# KiCad board Kanagawa_rgb.kicad_pcb
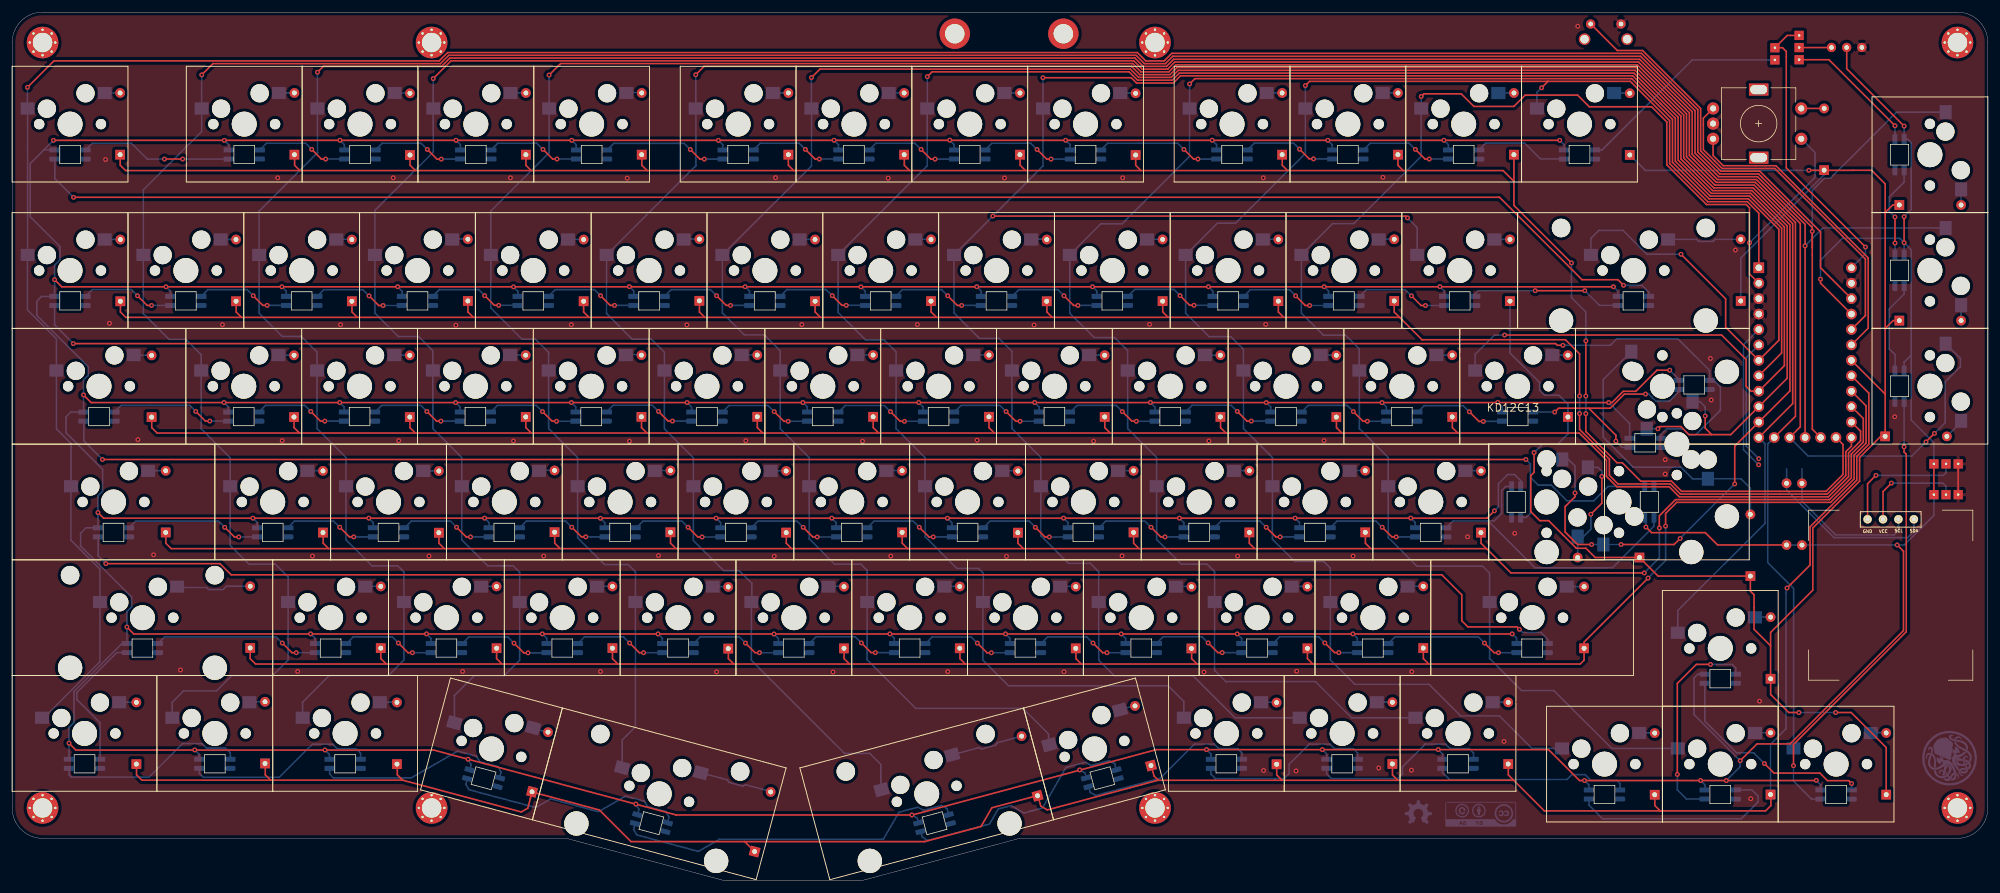
[diagram p0: board, top side]
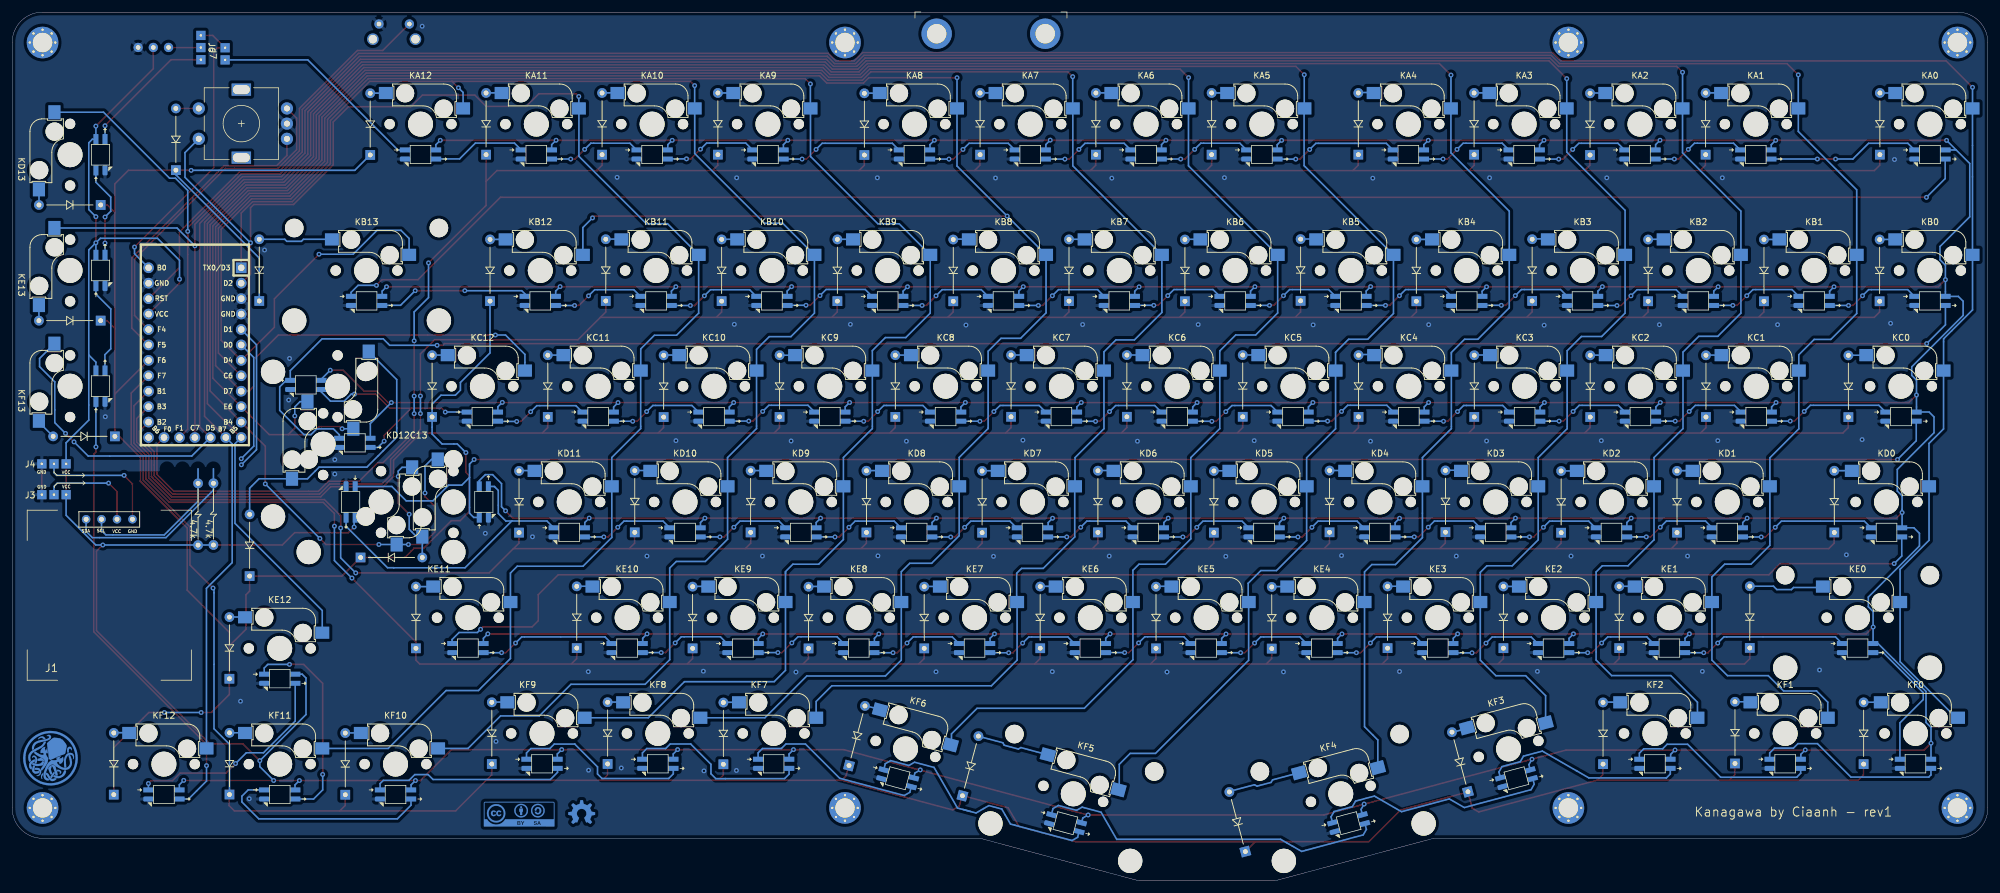
[diagram p1: board, bottom side, seen from below]

Outline 325 x 143 mm; copper layers: Top, Bottom. Coordinates in mm from the lower left corner of the outline.
Outline path: circle c320,138 r1.1 ; circle c320,12 r1.1 ; 0,138 0,12 arc(1.46,8.46) 5,7 91.16,7 117.29,0 139.6,0 165.72,7 320,7 arc(323.54,8.46) 325,12 325,138 arc(323.54,141.54) 320,143 5,143 arc(1.46,141.54) 0,138

## Placement (name value [footprint] x y rotation side)
DA0  D  [Diode_THT]  17.76 119.54 90 top
DA1  D  [Diode_THT]  46.43 119.54 90 top
DA2  D  [Diode_THT]  65.44 119.48 90 top
DA3  D  [Diode_THT]  84.51 119.54 90 top
DA4  D  [Diode_THT]  103.56 119.54 90 top
DA5  D  [Diode_THT]  127.69 119.54 90 top
DA6  D  [Diode_THT]  146.73 119.54 90 top
DA7  D  [Diode_THT]  165.78 119.54 90 top
DA8  D  [Diode_THT]  184.81 119.48 90 top
DA9  D  [Diode_THT]  208.91 119.54 90 top
DA10  D  [Diode_THT]  227.96 119.54 90 top
DA11  D  [Diode_THT]  247.04 119.54 90 top
DA12  D  [Diode_THT]  266.1 119.49 90 top
DA13  D  [Diode_THT]  298.07 116.99 90 top
DB0  D  [Diode_THT]  17.8 95.41 90 top
DB1  D  [Diode_THT]  36.83 95.41 90 top
DB2  D  [Diode_THT]  55.88 95.41 90 top
DB3  D  [Diode_THT]  74.96 95.46 90 top
DB4  D  [Diode_THT]  94.01 95.41 90 top
DB5  D  [Diode_THT]  113.05 95.48 90 top
DB6  D  [Diode_THT]  132.08 95.41 90 top
DB7  D  [Diode_THT]  151.15 95.43 90 top
DB8  D  [Diode_THT]  170.19 95.41 90 top
DB9  D  [Diode_THT]  189.25 95.43 90 top
DB10  D  [Diode_THT]  208.29 95.43 90 top
DB11  D  [Diode_THT]  227.35 95.46 90 top
DB12  D  [Diode_THT]  246.39 95.43 90 top
DB13  D  [Diode_THT]  284.35 95.45 90 top
DC0  D  [Diode_THT]  22.94 76.34 90 top
DC1  D  [Diode_THT]  46.37 76.35 90 top
DC2  D  [Diode_THT]  65.41 76.35 90 top
DC3  D  [Diode_THT]  84.48 76.37 90 top
DC4  D  [Diode_THT]  103.52 76.38 90 top
DC5  D  [Diode_THT]  122.57 76.39 90 top
DC6  D  [Diode_THT]  141.63 76.39 90 top
DC7  D  [Diode_THT]  160.68 76.39 90 top
DC8  D  [Diode_THT]  179.72 76.37 90 top
DC9  D  [Diode_THT]  198.76 76.37 90 top
DC10  D  [Diode_THT]  217.83 76.35 90 top
DC11  D  [Diode_THT]  236.89 76.37 90 top
DC12  D  [Diode_THT]  255.92 76.37 90 top
DC13  D  [Diode_THT]  285.94 50.17 90 top
DD0  D  [Diode_THT]  25.26 57.35 90 top
DD1  D  [Diode_THT]  51.13 57.33 90 top
DD2  D  [Diode_THT]  70.19 57.31 90 top
DD3  D  [Diode_THT]  89.22 57.4 90 top
DD4  D  [Diode_THT]  108.29 57.38 90 top
DD5  D  [Diode_THT]  127.32 57.32 90 top
DD6  D  [Diode_THT]  146.39 57.36 90 top
DD7  D  [Diode_THT]  165.44 57.31 90 top
DD8  D  [Diode_THT]  184.47 57.35 90 top
DD9  D  [Diode_THT]  203.52 57.36 90 top
DD10  D  [Diode_THT]  222.58 57.37 90 top
DD11  D  [Diode_THT]  241.62 57.32 90 top
DD12  D  [Diode_THT]  267.69 53.23 180 top
DD13  D  [Diode_THT]  310.44 111.26 0 top
DE0  D  [Diode_THT]  39.16 38.34 90 top
DE1  D  [Diode_THT]  60.64 38.31 90 top
DE2  D  [Diode_THT]  79.69 38.3 90 top
DE3  D  [Diode_THT]  98.75 38.31 90 top
DE4  D  [Diode_THT]  117.8 38.23 90 top
DE5  D  [Diode_THT]  136.84 38.27 90 top
DE6  D  [Diode_THT]  155.89 38.29 90 top
DE7  D  [Diode_THT]  174.97 38.27 90 top
DE8  D  [Diode_THT]  194 38.26 90 top
DE9  D  [Diode_THT]  213.07 38.27 90 top
DE10  D  [Diode_THT]  232.13 38.32 90 top
DE11  D  [Diode_THT]  258.58 38.28 90 top
DE12  D  [Diode_THT]  289.26 33.26 90 top
DE13  D  [Diode_THT]  310.44 92.22 0 top
DF0  D  [Diode_THT]  20.43 19.22 90 top
DF1  D  [Diode_THT]  41.6 19.32 90 top
DF2  D  [Diode_THT]  63.3 19.21 90 top
DF3  D  [Diode_THT]  85.52 14.66 75 top
DF4  D  [Diode_THT]  122.14 4.82 75 top
DF5  D  [Diode_THT]  168.68 14.01 105 top
DF6  D  [Diode_THT]  187.34 18.98 105 top
DF7  D  [Diode_THT]  208 19.19 90 top
DF8  D  [Diode_THT]  227.05 19.24 90 top
DF9  D  [Diode_THT]  246.1 19.23 90 top
DF10  D  [Diode_THT]  270.2 14.17 90 top
DF11  D  [Diode_THT]  289.25 14.21 90 top
DF12  D  [Diode_THT]  308.28 14.19 90 top
DF13  D  [Diode_THT]  308.1 73.17 0 top
J1  Oled128x64  [OLED_128x64_I2C_cutout]  295.52 61.02 0 top
J3  OledJump2  [Jumper_3pins]  318.12 65.56 180 top
J4  OledJump1  [Jumper_3pins]  318.12 70.63 180 top
J5  RGB_Out  [conn_3pins]  301.78 137.19 0 top
J6  RGB_Selector_Pin  [Jumper_3pins]  291.97 137.17 270 top
J7  RGB_Selector_Matrix  [Jumper_2pins]  289.97 136.14 90 top
KA0  KEY_SW  [SW_Cherry_MX_1.00u_SK6812MINI-E_Hotswap]  0 134.09 0 top
KA1  KEY_SW  [SW_Cherry_MX_1.00u_SK6812MINI-E_Hotswap]  28.65 134.09 0 top
KA2  KEY_SW  [SW_Cherry_MX_1.00u_SK6812MINI-E_Hotswap]  47.7 134.09 0 top
KA3  KEY_SW  [SW_Cherry_MX_1.00u_SK6812MINI-E_Hotswap]  66.75 134.09 0 top
KA4  KEY_SW  [SW_Cherry_MX_1.00u_SK6812MINI-E_Hotswap]  85.8 134.09 0 top
KA5  KEY_SW  [SW_Cherry_MX_1.00u_SK6812MINI-E_Hotswap]  109.9 134.09 0 top
KA6  KEY_SW  [SW_Cherry_MX_1.00u_SK6812MINI-E_Hotswap]  128.95 134.09 0 top
KA7  KEY_SW  [SW_Cherry_MX_1.00u_SK6812MINI-E_Hotswap]  148 134.09 0 top
KA8  KEY_SW  [SW_Cherry_MX_1.00u_SK6812MINI-E_Hotswap]  167.05 134.09 0 top
KA9  KEY_SW  [SW_Cherry_MX_1.00u_SK6812MINI-E_Hotswap]  191.15 134.09 0 top
KA10  KEY_SW  [SW_Cherry_MX_1.00u_SK6812MINI-E_Hotswap]  210.2 134.09 0 top
KA11  KEY_SW  [SW_Cherry_MX_1.00u_SK6812MINI-E_Hotswap]  229.25 134.09 0 top
KA12  KEY_SW  [SW_Cherry_MX_1.00u_SK6812MINI-E_Hotswap]  248.3 134.09 0 top
KB0  KEY_SW  [SW_Cherry_MX_1.00u_SK6812MINI-E_Hotswap]  0 109.99 0 top
KB1  KEY_SW  [SW_Cherry_MX_1.00u_SK6812MINI-E_Hotswap]  19.05 109.99 0 top
KB2  KEY_SW  [SW_Cherry_MX_1.00u_SK6812MINI-E_Hotswap]  38.1 109.99 0 top
KB3  KEY_SW  [SW_Cherry_MX_1.00u_SK6812MINI-E_Hotswap]  57.15 109.99 0 top
KB4  KEY_SW  [SW_Cherry_MX_1.00u_SK6812MINI-E_Hotswap]  76.2 109.99 0 top
KB5  KEY_SW  [SW_Cherry_MX_1.00u_SK6812MINI-E_Hotswap]  95.25 109.99 0 top
KB6  KEY_SW  [SW_Cherry_MX_1.00u_SK6812MINI-E_Hotswap]  114.3 109.99 0 top
KB7  KEY_SW  [SW_Cherry_MX_1.00u_SK6812MINI-E_Hotswap]  133.35 109.99 0 top
KB8  KEY_SW  [SW_Cherry_MX_1.00u_SK6812MINI-E_Hotswap]  152.4 109.99 0 top
KB9  KEY_SW  [SW_Cherry_MX_1.00u_SK6812MINI-E_Hotswap]  171.45 109.99 0 top
KB10  KEY_SW  [SW_Cherry_MX_1.00u_SK6812MINI-E_Hotswap]  190.5 109.99 0 top
KB11  KEY_SW  [SW_Cherry_MX_1.00u_SK6812MINI-E_Hotswap]  209.55 109.99 0 top
KB12  KEY_SW  [SW_Cherry_MX_1.00u_SK6812MINI-E_Hotswap]  228.6 109.99 0 top
KB13  KEY_SW  [SW_Cherry_MX_2.00u_SK6812MINI-E_Hotswap]  247.65 109.99 0 top
KC0  KEY_SW  [SW_Cherry_MX_1.50u_SK6812MINI-E_Hotswap]  0 90.94 0 top
KC1  KEY_SW  [SW_Cherry_MX_1.00u_SK6812MINI-E_Hotswap]  28.58 90.94 0 top
KC2  KEY_SW  [SW_Cherry_MX_1.00u_SK6812MINI-E_Hotswap]  47.63 90.94 0 top
KC3  KEY_SW  [SW_Cherry_MX_1.00u_SK6812MINI-E_Hotswap]  66.68 90.94 0 top
KC4  KEY_SW  [SW_Cherry_MX_1.00u_SK6812MINI-E_Hotswap]  85.73 90.94 0 top
KC5  KEY_SW  [SW_Cherry_MX_1.00u_SK6812MINI-E_Hotswap]  104.78 90.94 0 top
KC6  KEY_SW  [SW_Cherry_MX_1.00u_SK6812MINI-E_Hotswap]  123.83 90.94 0 top
KC7  KEY_SW  [SW_Cherry_MX_1.00u_SK6812MINI-E_Hotswap]  142.88 90.94 0 top
KC8  KEY_SW  [SW_Cherry_MX_1.00u_SK6812MINI-E_Hotswap]  161.93 90.94 0 top
KC9  KEY_SW  [SW_Cherry_MX_1.00u_SK6812MINI-E_Hotswap]  180.98 90.94 0 top
KC10  KEY_SW  [SW_Cherry_MX_1.00u_SK6812MINI-E_Hotswap]  200.03 90.94 0 top
KC11  KEY_SW  [SW_Cherry_MX_1.00u_SK6812MINI-E_Hotswap]  219.07 90.94 0 top
KC12  KEY_SW  [SW_Cherry_MX_1.00u_SK6812MINI-E_Hotswap]  238.12 90.94 0 top
KD0  KEY_SW  [SW_Cherry_MX_1.75u_SK6812MINI-E_Hotswap]  0 71.89 0 top
KD1  KEY_SW  [SW_Cherry_MX_1.00u_SK6812MINI-E_Hotswap]  33.34 71.89 0 top
KD2  KEY_SW  [SW_Cherry_MX_1.00u_SK6812MINI-E_Hotswap]  52.39 71.89 0 top
KD3  KEY_SW  [SW_Cherry_MX_1.00u_SK6812MINI-E_Hotswap]  71.44 71.89 0 top
KD4  KEY_SW  [SW_Cherry_MX_1.00u_SK6812MINI-E_Hotswap]  90.49 71.89 0 top
KD5  KEY_SW  [SW_Cherry_MX_1.00u_SK6812MINI-E_Hotswap]  109.54 71.89 0 top
KD6  KEY_SW  [SW_Cherry_MX_1.00u_SK6812MINI-E_Hotswap]  128.59 71.89 0 top
KD7  KEY_SW  [SW_Cherry_MX_1.00u_SK6812MINI-E_Hotswap]  147.64 71.89 0 top
KD8  KEY_SW  [SW_Cherry_MX_1.00u_SK6812MINI-E_Hotswap]  166.69 71.89 0 top
KD9  KEY_SW  [SW_Cherry_MX_1.00u_SK6812MINI-E_Hotswap]  185.74 71.89 0 top
KD10  KEY_SW  [SW_Cherry_MX_1.00u_SK6812MINI-E_Hotswap]  204.79 71.89 0 top
KD11  KEY_SW  [SW_Cherry_MX_1.00u_SK6812MINI-E_Hotswap]  223.84 71.89 0 top
KD12C13  KEY_SW_RGB_x2  [SW_Cherry_MX_2.25u_ISO_v2]  242.89 71.89 0 top
KD13  KEY_SW  [SW_Cherry_MX_1.00u_SK6812MINI-E_Hotswap]  325 129.05 270 top
KE0  KEY_SW  [SW_Cherry_MX_2.25u_SK6812MINI-E_Hotswap]  0 52.84 0 top
KE1  KEY_SW  [SW_Cherry_MX_1.00u_SK6812MINI-E_Hotswap]  42.86 52.84 0 top
KE2  KEY_SW  [SW_Cherry_MX_1.00u_SK6812MINI-E_Hotswap]  61.91 52.84 0 top
KE3  KEY_SW  [SW_Cherry_MX_1.00u_SK6812MINI-E_Hotswap]  80.96 52.84 0 top
KE4  KEY_SW  [SW_Cherry_MX_1.00u_SK6812MINI-E_Hotswap]  100.01 52.84 0 top
KE5  KEY_SW  [SW_Cherry_MX_1.00u_SK6812MINI-E_Hotswap]  119.06 52.84 0 top
KE6  KEY_SW  [SW_Cherry_MX_1.00u_SK6812MINI-E_Hotswap]  138.11 52.84 0 top
KE7  KEY_SW  [SW_Cherry_MX_1.00u_SK6812MINI-E_Hotswap]  157.16 52.84 0 top
KE8  KEY_SW  [SW_Cherry_MX_1.00u_SK6812MINI-E_Hotswap]  176.21 52.84 0 top
KE9  KEY_SW  [SW_Cherry_MX_1.00u_SK6812MINI-E_Hotswap]  195.26 52.84 0 top
KE10  KEY_SW  [SW_Cherry_MX_1.00u_SK6812MINI-E_Hotswap]  214.31 52.84 0 top
KE11  KEY_SW  [SW_Cherry_MX_1.75u_SK6812MINI-E_Hotswap]  233.36 52.84 0 top
KE12  KEY_SW  [SW_Cherry_MX_1.00u_SK6812MINI-E_Hotswap]  271.46 47.79 0 top
KE13  KEY_SW  [SW_Cherry_MX_1.00u_SK6812MINI-E_Hotswap]  325 110 270 top
KF0  KEY_SW  [SW_Cherry_MX_1.25u_SK6812MINI-E_Hotswap]  0 33.79 0 top
KF1  KEY_SW  [SW_Cherry_MX_1.00u_SK6812MINI-E_Hotswap]  23.81 33.79 0 top
KF2  KEY_SW  [SW_Cherry_MX_1.25u_SK6812MINI-E_Hotswap]  42.86 33.79 0 top
KF3  KEY_SW  [SW_Cherry_MX_1.00u_SK6812MINI-E_Hotswap]  72.11 33.38 345 top
KF4  KEY_SW  [SW_Cherry_MX_2.00u_SK6812MINI-E_Hotswap]  90.51 28.45 345 top
KF5  KEY_SW  [SW_Cherry_MX_2.00u_SK6812MINI-E_Hotswap]  129.58 18.59 15 top
KF6  KEY_SW  [SW_Cherry_MX_1.00u_SK6812MINI-E_Hotswap]  166.38 28.45 15 top
KF7  KEY_SW  [SW_Cherry_MX_1.00u_SK6812MINI-E_Hotswap]  190.21 33.79 0 top
KF8  KEY_SW  [SW_Cherry_MX_1.00u_SK6812MINI-E_Hotswap]  209.26 33.79 0 top
KF9  KEY_SW  [SW_Cherry_MX_1.00u_SK6812MINI-E_Hotswap]  228.31 33.79 0 top
KF10  KEY_SW  [SW_Cherry_MX_1.00u_SK6812MINI-E_Hotswap]  252.41 28.74 0 top
KF11  KEY_SW  [SW_Cherry_MX_1.00u_SK6812MINI-E_Hotswap]  271.46 28.74 0 top
KF12  KEY_SW  [SW_Cherry_MX_1.00u_SK6812MINI-E_Hotswap]  290.51 28.74 0 top
KF13  KEY_SW  [SW_Cherry_MX_1.00u_SK6812MINI-E_Hotswap]  325 90.95 270 top
LogoBase1  LOGO  [hokusai]  585.37 66.32 180 bottom
LogoMiddle  LOGO  [Cthulhu_logo]  318.52 20.34 30 bottom
LogoMiddle1  cc_logo  [cc]  241.6 10.98 180 bottom
LogoMiddle2  oshw_logo  [oshw]  231.32 11.31 180 bottom
MountBaseMiddleTop1  MountingHole  [MountingHole_3.2mm_M2_Pad_Via]  5 138 0 top
MountBaseMiddleTop2  MountingHole  [MountingHole_3.2mm_M2_Pad_Via]  5 12 0 top
MountBaseMiddleTop3  MountingHole  [MountingHole_3.2mm_M2_Pad_Via]  69 138 0 top
MountBaseMiddleTop4  MountingHole  [MountingHole_3.2mm_M2_Pad_Via]  69 12 0 top
MountBaseMiddleTop5  MountingHole  [MountingHole_3.2mm_M2_Pad_Via]  188 138 0 top
MountBaseMiddleTop6  MountingHole  [MountingHole_3.2mm_M2_Pad_Via]  188 12 0 top
MountBaseMiddleTop7  MountingHole  [MountingHole_3.2mm_M2_Pad_Via]  320 138 0 top
MountBaseMiddleTop8  MountingHole  [MountingHole_3.2mm_M2_Pad_Via]  320 12 0 top
MountMiddle0  MountingHole USB breakout  [Keebio_USB-C_breakout_shadow]  163.97 137.05 0 top
R1  4.7k  [Resistors_THT]  291.89 65.45 270 top
R2  4.7k  [Resistors_THT]  294.42 65.43 270 top
RSW0  -  [SW_RST]  262.16 141.05 0 top
SW99  Rotary_Encoder_Switch  [RotaryEncoder_Alps_EC11E-Switch_Vertical_H20mm]  287.3 124.65 0 top
U0  Elite-C  [Elite-C-29pin-holes]  294.94 86.95 270 top

## Library data of the parts
KA0-KA12 KB0-KB12 KC1-KC12 KD1-KD11 KD13 KE1-KE10 KE12 KE13 KF1 KF3 KF6-KF13 = -: Field4: D?; Field5: SW_PUSH
KB13 KF4 KF5 = -: Field4: D?; Field5: D?
KC0 KD0 KD12C13 KE0 KE11 KF0 KF2 = -: Field4: D?

## Footprints (pads in the part's own frame, mm; a bottom-side part is the same pattern mirrored in y, then rotated)
conn_3pins
  round 1.524 hole 0.762: 1(-2.5,0) 2(0,0) 3(2.5,0)
Diode_THT
  rect 1.6x1.6 hole 0.8: 1(0,0)
  oval 1.6x1.6 hole 0.8: 2(10.16,0)
Elite-C-29pin-holes
  rect 1.753x1.753 hole 1.092: 1(-13.97,-7.62)
  round 1.753 hole 1.092: 2(-11.43,-7.62) 3(-8.89,-7.62) 4(-6.35,-7.62) 5(-3.81,-7.62) 6(-1.27,-7.62) 7(1.27,-7.62) 8(3.81,-7.62) 9(6.35,-7.62) 10(8.89,-7.62) 11(11.43,-7.62) 12(13.97,-7.62) 13(13.97,7.62) 14(11.43,7.62) 15(8.89,7.62) 16(6.35,7.62) 17(3.81,7.62) 18(1.27,7.62) 19(-1.27,7.62) 20(-3.81,7.62) 21(-6.35,7.62) 22(-8.89,7.62) 23(-11.43,7.62) 24(-13.97,7.62) 25(13.97,-5.08) 26(13.97,-2.54) 27(13.97,0) 28(13.97,2.54) 29(13.97,5.08)
Jumper_2pins
  rect 1.524x1.524 hole 0.4: 1(-1,0) 2(1,0)
Jumper_3pins
  rect 1.524x1.524 hole 0.4: 1(-2,1.99) 2(0,1.99) 3(2,1.99)
Keebio_USB-C_breakout_shadow
  round 5 hole 3.2: (-8.908,2.398) (8.951,2.398)
MountingHole_3.2mm_M2_Pad_Via
  round 0.7 hole 0.4: 1(-2.1,0) 1(-1.49,1.49) 1(-1.49,-1.49) 1(0,2.1) 1(0,-2.1) 1(1.49,1.49) 1(1.49,-1.49) 1(2.1,0)
  round 5.2 hole 3.2: 1(0,0)
OLED_128x64_I2C_cutout
  round 1.397 hole 0.813: 1(9.69,-1.5) 2(12.23,-1.5) 3(14.77,-1.5) 4(17.31,-1.5)
Resistors_THT
  round 1.6 hole 0.8: 1(0,0)
  oval 1.6x1.6 hole 0.8: 2(10.16,0)
RotaryEncoder_Alps_EC11E-Switch_Vertical_H20mm
  round 2 hole 1: A(-7.5,2.5) B(-7.5,-2.5) C(-7.5,0) S1(7,-2.5) S2(7,2.5)
  rect 3.2x2 hole 2.8x1.5: MP(0,5.6) MP(0,-5.6)
SW_Cherry_MX_1.00u_SK6812MINI-E_Hotswap
  round 1.7 hole 1.7 unplated: (4.445,-9.525) (14.605,-9.525)
  round 3 hole 3 unplated: (5.715,-6.985) (12.065,-4.445)
  round 4.1 hole 4.1 unplated: (9.525,-9.525)
  rect 2.3x2 smd far side: 1(2.525,-6.945) 2(15.225,-4.405)
  rect 1.7x0.82 smd far side: 3(6.975,-13.775) 4(6.975,-15.275) 6(12.075,-13.775)
  rrect 1.7x0.82 smd far side: 5(12.075,-15.275)
SW_Cherry_MX_1.25u_SK6812MINI-E_Hotswap
  round 1.7 hole 1.7 unplated: (6.826,-9.525) (16.986,-9.525)
  round 3 hole 3 unplated: (8.096,-6.985) (14.446,-4.445)
  round 4.1 hole 4.1 unplated: (11.906,-9.525)
  rect 2.3x2 smd far side: 1(4.906,-6.945) 2(17.606,-4.405)
  rect 1.7x0.82 smd far side: 3(9.356,-13.775) 4(9.356,-15.275) 6(14.456,-13.775)
  rrect 1.7x0.82 smd far side: 5(14.456,-15.275)
SW_Cherry_MX_1.50u_SK6812MINI-E_Hotswap
  round 1.7 hole 1.7 unplated: (9.207,-9.525) (19.367,-9.525)
  round 3 hole 3 unplated: (10.477,-6.985) (16.828,-4.445)
  round 4.1 hole 4.1 unplated: (14.287,-9.525)
  rect 2.3x2 smd far side: 1(7.287,-6.945) 2(19.988,-4.405)
  rect 1.7x0.82 smd far side: 3(11.738,-13.775) 4(11.738,-15.275) 6(16.837,-13.775)
  rrect 1.7x0.82 smd far side: 5(16.837,-15.275)
SW_Cherry_MX_1.75u_SK6812MINI-E_Hotswap
  round 1.7 hole 1.7 unplated: (11.589,-9.525) (21.749,-9.525)
  round 3 hole 3 unplated: (12.859,-6.985) (19.209,-4.445)
  round 4.1 hole 4.1 unplated: (16.669,-9.525)
  rect 2.3x2 smd far side: 1(9.669,-6.945) 2(22.369,-4.405)
  rect 1.7x0.82 smd far side: 3(14.119,-13.775) 4(14.119,-15.275) 6(19.219,-13.775)
  rrect 1.7x0.82 smd far side: 5(19.219,-15.275)
SW_Cherry_MX_2.00u_SK6812MINI-E_Hotswap
  round 3.05 hole 3.05 unplated: (7.15,-2.525) (30.95,-2.525)
  round 4 hole 4 unplated: (7.15,-17.765) (30.95,-17.765)
  round 1.7 hole 1.7 unplated: (13.97,-9.525) (24.13,-9.525)
  round 3 hole 3 unplated: (15.24,-6.985) (21.59,-4.445)
  round 4.1 hole 4.1 unplated: (19.05,-9.525)
  rect 2.3x2 smd far side: 1(12.05,-6.945) 2(24.75,-4.405)
  rect 1.7x0.82 smd far side: 3(16.5,-13.775) 4(16.5,-15.275) 6(21.6,-13.775)
  rrect 1.7x0.82 smd far side: 5(21.6,-15.275)
SW_Cherry_MX_2.25u_ISO_v2
  round 1.7 hole 1.7 unplated: (9.525,-4.447) (9.525,-14.607) (21.435,-4.442) (21.435,-14.602) (28.575,14.607) (28.575,4.447) (30.957,5.071) (30.957,-5.089)
  round 4.1 hole 4.1 unplated: (9.525,-9.527) (21.435,-9.523) (28.575,9.527) (30.957,-0.009)
  round 3.05 hole 3.05 unplated: (9.531,-2.525) (23.957,11.891) (23.957,-11.909) (33.331,-2.525)
  round 4 hole 4 unplated: (9.531,-17.765) (33.331,-17.765) (39.197,11.891) (39.197,-11.909)
  round 3 hole 3 unplated: (12.065,-5.718) (14.605,-12.068) (16.355,-6.982) (18.895,-13.332) (23.495,12.068) (26.035,5.718) (33.497,3.801) (36.037,-2.549)
  rect 2x2.3 smd far side: 1(12.105,-2.527) 1(18.855,-16.523) 2(14.645,-15.227) 2(16.315,-3.822) 7(25.995,2.527) 7(33.537,6.991) 8(23.455,15.227) 8(36.077,-5.709)
  rect 0.82x1.7 smd far side: 3(5.275,-6.978) 3(25.685,-12.072) 4(3.775,-6.978) 4(27.185,-12.072) 6(5.275,-12.078) 6(25.685,-6.973)
  rrect 0.82x1.7 smd far side: 5(3.775,-12.078) 5(27.185,-6.973)
  rect 1.7x0.82 smd far side: 9(23.189,0.957) 9(31.258,10.495) 10(23.189,-0.543) 10(31.258,8.995) 12(28.289,0.957) 12(36.358,10.495)
  rrect 1.7x0.82 smd far side: 11(28.289,-0.543) 11(36.358,8.995)
SW_Cherry_MX_2.25u_SK6812MINI-E_Hotswap
  round 3.05 hole 3.05 unplated: (9.531,-2.525) (33.331,-2.525)
  round 4 hole 4 unplated: (9.531,-17.765) (33.331,-17.765)
  round 1.7 hole 1.7 unplated: (16.351,-9.525) (26.511,-9.525)
  round 3 hole 3 unplated: (17.621,-6.985) (23.971,-4.445)
  round 4.1 hole 4.1 unplated: (21.431,-9.525)
  rect 2.3x2 smd far side: 1(14.431,-6.945) 2(27.131,-4.405)
  rect 1.7x0.82 smd far side: 3(18.881,-13.775) 4(18.881,-15.275) 6(23.981,-13.775)
  rrect 1.7x0.82 smd far side: 5(23.981,-15.275)
SW_RST
  round 1.524 hole 0.762: 1(-2.5,0) 2(2.5,0)
  round 1.9 hole 1.4: 3(-3.5,-2.5) 3(3.5,-2.5)

## Nets
GND: J3.1 J4.1 J5.3 KA0.5 KA1.5 KA2.5 KA3.5 KA4.5 KA5.5 KA6.5 KA7.5 KA8.5 KA9.5 KA10.5 KA11.5 KA12.5 KB0.5 KB1.5 KB2.5 KB3.5 KB4.5 KB5.5 KB6.5 KB7.5 KB8.5 KB9.5 KB10.5 KB11.5 KB12.5 KB13.5 KC0.5 KC1.5 KC2.5 KC3.5 KC4.5 KC5.5 KC6.5 KC7.5 KC8.5 KC9.5 KC10.5 KC11.5 KC12.5 KD0.5 KD1.5 KD2.5 KD3.5 KD4.5 KD5.5 KD6.5 KD7.5 KD8.5 KD9.5 KD10.5 KD11.5 KD12C13.5 KD12C13.11 KD13.5 KE0.5 KE1.5 KE2.5 KE3.5 KE4.5 KE5.5 KE6.5 KE7.5 KE8.5 KE9.5 KE10.5 KE11.5 KE12.5 KE13.5 KF0.5 KF1.5 KF2.5 KF3.5 KF4.5 KF5.5 KF6.5 KF7.5 KF8.5 KF9.5 KF10.5 KF11.5 KF12.5 KF13.5 RSW0.2 SW99.C U0.3 U0.4 U0.23
VCC: J3.3 J4.3 J5.2 KA0.3 KA1.3 KA2.3 KA3.3 KA4.3 KA5.3 KA6.3 KA7.3 KA8.3 KA9.3 KA10.3 KA11.3 KA12.3 KB0.3 KB1.3 KB2.3 KB3.3 KB4.3 KB5.3 KB6.3 KB7.3 KB8.3 KB9.3 KB10.3 KB11.3 KB12.3 KB13.3 KC0.3 KC1.3 KC2.3 KC3.3 KC4.3 KC5.3 KC6.3 KC7.3 KC8.3 KC9.3 KC10.3 KC11.3 KC12.3 KD0.3 KD1.3 KD2.3 KD3.3 KD4.3 KD5.3 KD6.3 KD7.3 KD8.3 KD9.3 KD10.3 KD11.3 KD12C13.3 KD12C13.9 KD13.3 KE0.3 KE1.3 KE2.3 KE3.3 KE4.3 KE5.3 KE6.3 KE7.3 KE8.3 KE9.3 KE10.3 KE11.3 KE12.3 KE13.3 KF0.3 KF1.3 KF2.3 KF3.3 KF4.3 KF5.3 KF6.3 KF7.3 KF8.3 KF9.3 KF10.3 KF11.3 KF12.3 KF13.3 R1.2 R2.2 U0.21
/IN_A0: KA0.6 KA1.4
/IN_A1: KA1.6 KA2.4
/IN_A2: KA2.6 KA3.4
/IN_A3: KA3.6 KA4.4
/IN_A4: KA4.6 KA5.4
/IN_A5: KA5.6 KA6.4
/IN_A6: KA6.6 KA7.4
/IN_A7: KA7.6 KA8.4
/IN_A8: KA8.6 KA9.4
/IN_A9: KA9.6 KA10.4
/IN_A10: KA10.6 KA11.4
/IN_A11: KA11.6 KA12.4
/IN_B0: KB0.6 KB1.4
/IN_B1: KB1.6 KB2.4
/IN_B2: KB2.6 KB3.4
/IN_B3: KB3.6 KB4.4
/IN_B4: KB4.6 KB5.4
/IN_B5: KB5.6 KB6.4
/IN_B6: KB6.6 KB7.4
/IN_B7: KB7.6 KB8.4
/IN_B8: KB8.6 KB9.4
/IN_B9: KB9.6 KB10.4
/IN_B10: KB10.6 KB11.4
/IN_B11: KB11.6 KB12.4
/IN_B12: KB12.6 KB13.4
/IN_B13: KA0.4 KB13.6
/IN_C0: KC0.6 KC1.4
/IN_C1: KC1.6 KC2.4
/IN_C2: KC2.6 KC3.4
/IN_C3: KC3.6 KC4.4
/IN_C4: KC4.6 KC5.4
/IN_C5: KC5.6 KC6.4
/IN_C6: KC6.6 KC7.4
/IN_C7: KC7.6 KC8.4
/IN_C8: KC8.6 KC9.4
/IN_C9: KC9.6 KC10.4
/IN_C10: KC10.6 KC11.4
/IN_C11: KC11.6 KC12.4
/IN_C12: KC12.6 KD12C13.10
/IN_C13: KB0.4 KD12C13.12
/IN_D0: KD0.6 KD1.4
/IN_D1: KD1.6 KD2.4
/IN_D2: KD2.6 KD3.4
/IN_D3: KD3.6 KD4.4
/IN_D4: KD4.6 KD5.4
/IN_D5: KD5.6 KD6.4
/IN_D6: KD6.6 KD7.4
/IN_D7: KD7.6 KD8.4
/IN_D8: KD8.6 KD9.4
/IN_D9: KD9.6 KD10.4
/IN_D10: KD10.6 KD11.4
/IN_D11: KD11.6 KD12C13.4
/IN_D12: KC0.4 KD12C13.6
/IN_D13: KD13.6 KE13.4
/IN_E0: KE0.6 KE1.4
/IN_E1: KE1.6 KE2.4
/IN_E2: KE2.6 KE3.4
/IN_E3: KE3.6 KE4.4
/IN_E4: KE4.6 KE5.4
/IN_E5: KE5.6 KE6.4
/IN_E6: KE6.6 KE7.4
/IN_E7: KE7.6 KE8.4
/IN_E8: KE8.6 KE9.4
/IN_E9: KE9.6 KE10.4
/IN_E10: KE10.6 KE11.4
/IN_E11: KD0.4 KE11.6
/IN_E12: KE12.6 KF11.4
/IN_E13: KE13.6 KF13.4
/IN_F0: KE0.4 KF0.6
/IN_F1: KF0.4 KF1.6
/IN_F2: KF1.4 KF2.6
/IN_F3: KF2.4 KF3.6
/IN_F4: KF3.4 KF4.6
/IN_F5: KF4.4 KF5.6
/IN_F6: KF5.4 KF6.6
/IN_F7: KF6.4 KF7.6
/IN_F8: KF7.4 KF8.6
/IN_F9: KF8.4 KF9.6
/IN_F10: KF9.4 KF10.6
/IN_F11: KF10.4 KF11.6
/IN_F12: KE12.4 KF12.6
/IN_F13: KF12.4 KF13.6
/SW99B: DA13.2 SW99.S2
col00: KA0.1 KB0.1 KC0.1 KD0.1 KD13.1 KE0.1 KF0.1 U0.28
col01: KA1.1 KB1.1 KC1.1 KD1.1 KE1.1 KE13.1 KF1.1 U0.27
col02: KA2.1 KB2.1 KC2.1 KD2.1 KE2.1 KF2.1 KF13.1 U0.26
col03: KA3.1 KB3.1 KC3.1 KD3.1 KE3.1 KF3.1 KF12.1 U0.25
col04: KA4.1 KB4.1 KC4.1 KD4.1 KE4.1 KE12.1 KF4.1 U0.12
col05: KA5.1 KB5.1 KC5.1 KD5.1 KD12C13.1 KE5.1 KF5.1 U0.11
col06: KA6.1 KB6.1 KC6.1 KD6.1 KD12C13.7 KE6.1 KF6.1 U0.10
col07: KA7.1 KB7.1 KC7.1 KC12.1 KD7.1 KE7.1 KF7.1 U0.9
col08: KA8.1 KB8.1 KB12.1 KC8.1 KD8.1 KE8.1 KF8.1 U0.8
col09: KA9.1 KB9.1 KB13.1 KC9.1 KD9.1 KE9.1 KF9.1 U0.7
col10: KA10.1 KA12.1 KB10.1 KC10.1 KD10.1 KE10.1 KF10.1 U0.1
col11: KA11.1 KB11.1 KC11.1 KD11.1 KE11.1 KF11.1 SW99.S1 U0.2
ENCA: SW99.A U0.20
ENCB: SW99.B U0.19
OledPin1: J1.1 J4.2
OledPin2: J1.2 J3.2
RESET: RSW0.1 U0.22
RGB_In: J6.1 J7.2 U0.24
RGB_Matrix: J7.1 KA12.6
RGB_Out: J6.3 KD13.4
RGB_Pin: J5.1 J6.2
row00: DA0.1 DA1.1 DA2.1 DA3.1 DA4.1 DA5.1 DA6.1 DA7.1 DA8.1 DA9.1 DA10.1 DA11.1 U0.29
row01: DB0.1 DB1.1 DB2.1 DB3.1 DB4.1 DB5.1 DB6.1 DB7.1 DB8.1 DB9.1 DB10.1 DB11.1 U0.13
row02: DC0.1 DC1.1 DC2.1 DC3.1 DC4.1 DC5.1 DC6.1 DC7.1 DC8.1 DC9.1 DC10.1 DC11.1 U0.14
row03: DD0.1 DD1.1 DD2.1 DD3.1 DD4.1 DD5.1 DD6.1 DD7.1 DD8.1 DD9.1 DD10.1 DD11.1 U0.15
row04: DE0.1 DE1.1 DE2.1 DE3.1 DE4.1 DE5.1 DE6.1 DE7.1 DE8.1 DE9.1 DE10.1 DE11.1 U0.16
row05: DF0.1 DF1.1 DF2.1 DF3.1 DF4.1 DF5.1 DF6.1 DF7.1 DF8.1 DF9.1 DF10.1 DF11.1 U0.17
row06: DA12.1 DA13.1 DB12.1 DB13.1 DC12.1 DC13.1 DD12.1 DD13.1 DE12.1 DE13.1 DF12.1 DF13.1 U0.18
SCL: J1.3 R2.1 U0.6
SDA: J1.4 R1.1 U0.5
Net-(DA0-Pad2): DA0.2 KA0.2
Net-(DA1-Pad2): DA1.2 KA1.2
Net-(DA2-Pad2): DA2.2 KA2.2
Net-(DA3-Pad2): DA3.2 KA3.2